# Altium PCB 松菸_幻影光靈_屍禁_提燈_20241126.PcbDoc
Units mm, origin at the board's own origin, x right, y up, seen from the top; angles counter-clockwise.
Board outline 100 x 87.54 mm, 4 copper layers (Top Layer, Layer 1, Layer 2, Bottom Layer), stack 0.603 mm thick; 39 components, 33 nets, 218 pads, 27 vias.
Unrouted connection lines stored in the file: 2.
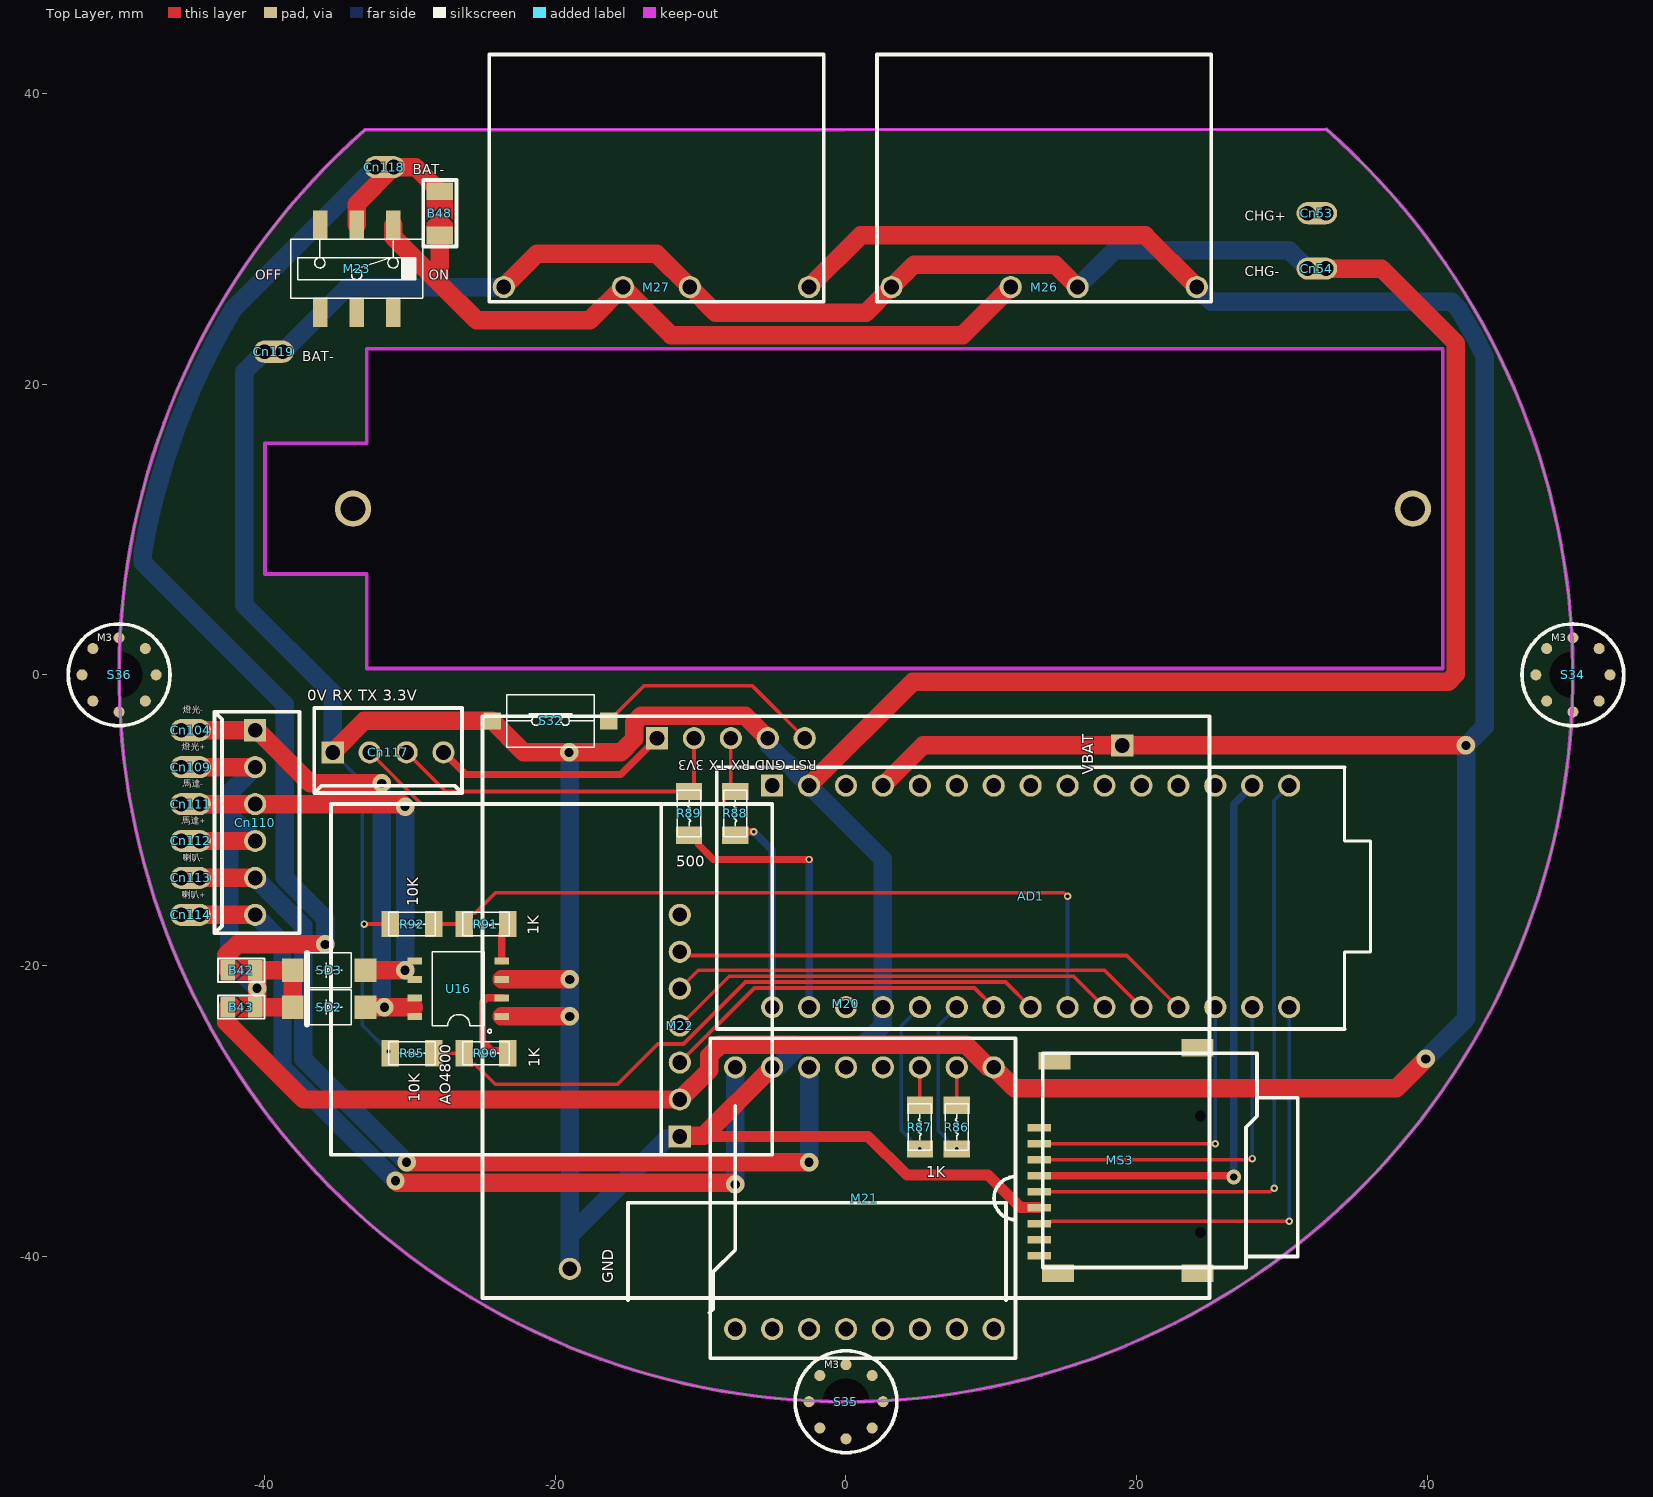
[diagram p0: Top Layer view]
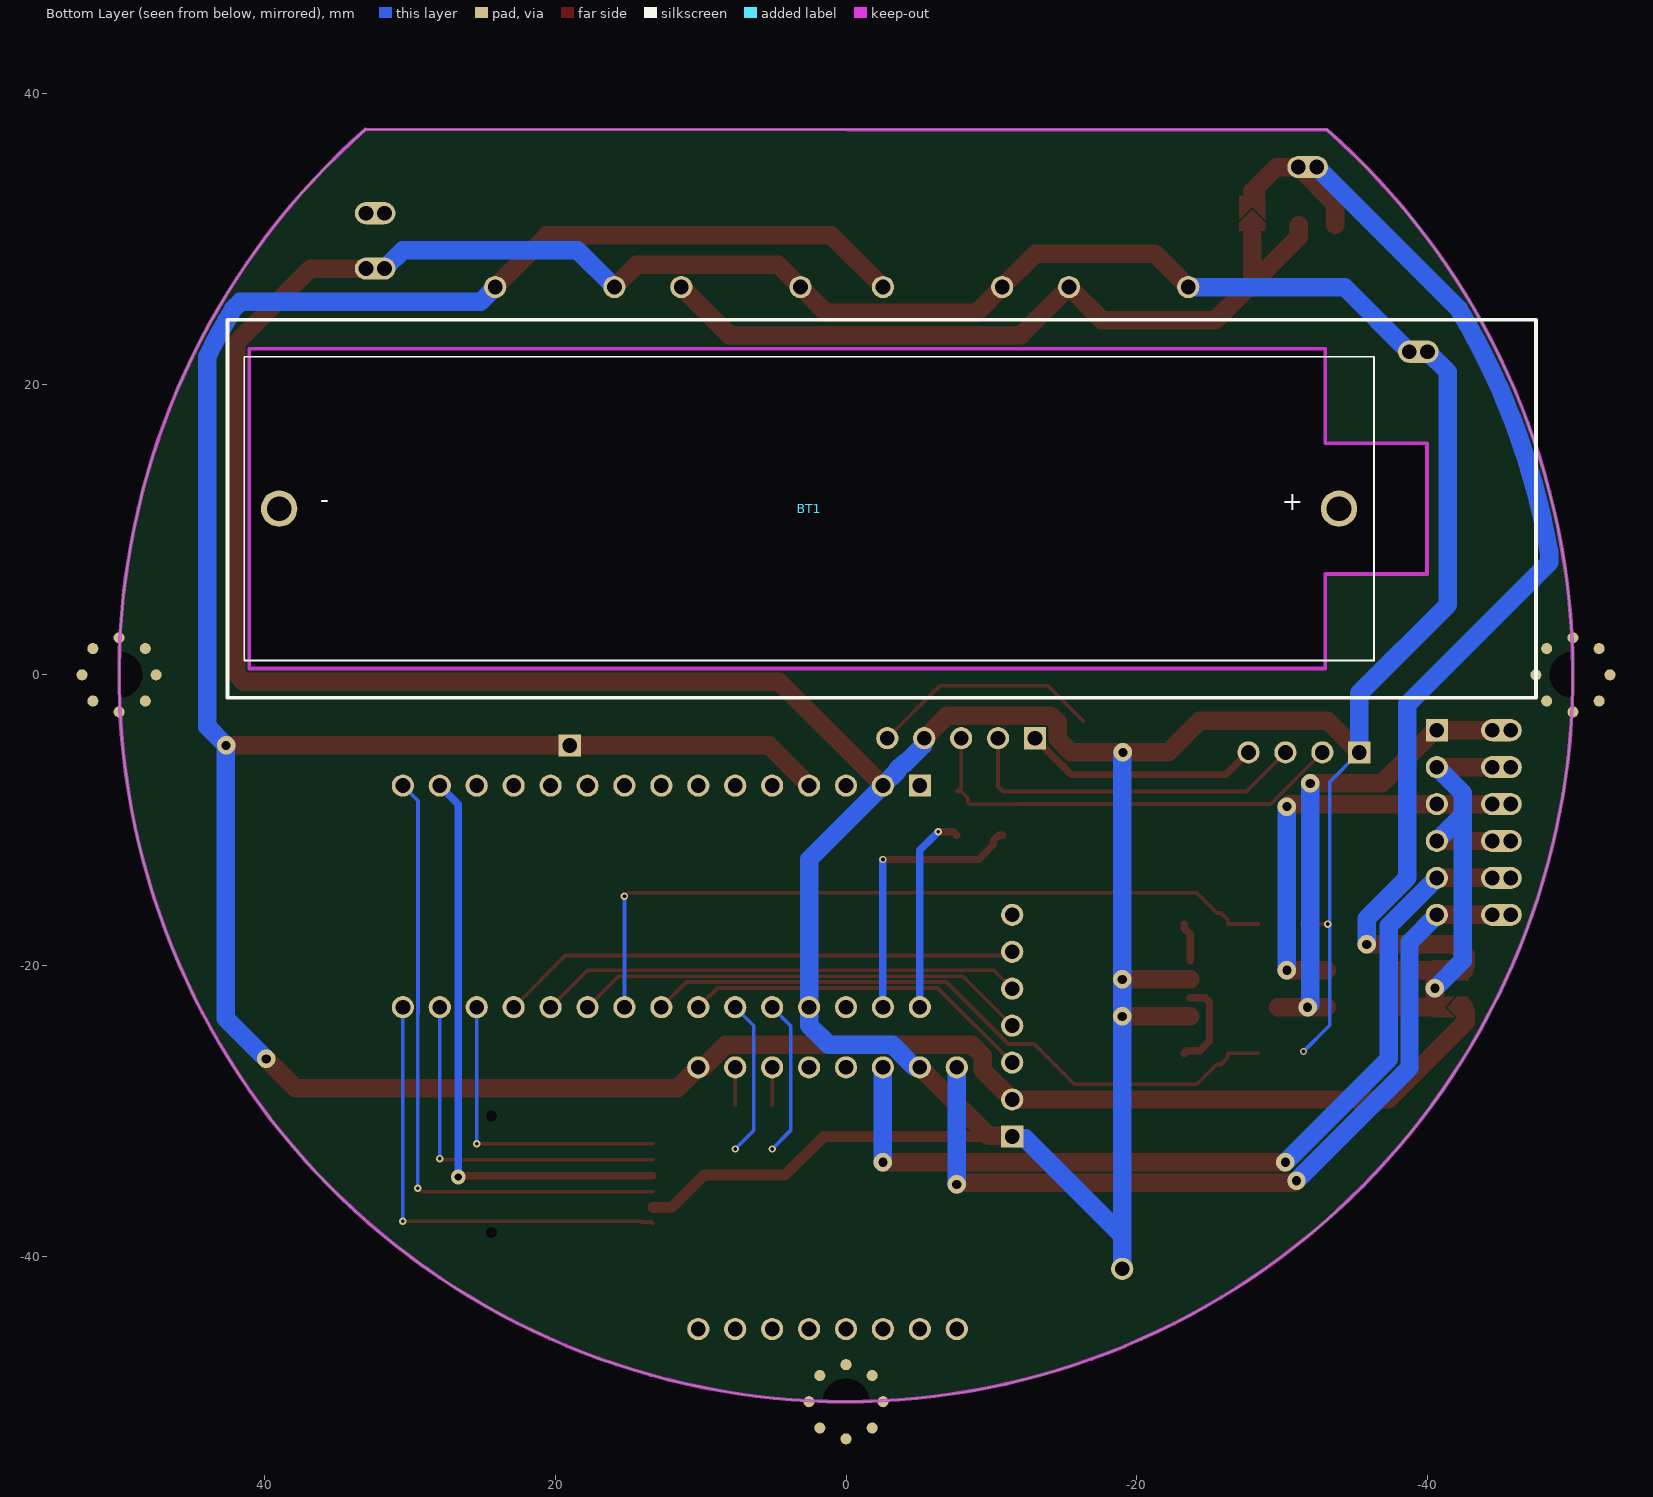
[diagram p1: Bottom Layer view, seen from below]

## Layer stack, top to bottom
Top Solder: solder mask 0.0102, Solder Resist, Dk 3.5
Top Layer: signal copper 0.0356
Dielectric 2: prepreg 0.0711, PP-006, Dk 4.1
Layer 1: signal copper 0.035
Dielectric 1: dielectric 0.32, FR-4, Dk 4.8
Layer 2: signal copper 0.035
Dielectric 3: prepreg 0.0711, PP-006, Dk 4.1
Bottom Layer: signal copper 0.0356
Bottom Solder: solder mask 0.0102, Solder Resist, Dk 3.5

## Board outline
-33.097,37.478 ccw(c0,0) 33.031,37.536
cut-out: 41.04,22.43 -32.96,22.43 -32.96,15.93 -39.96,15.93 -39.96,6.93 -32.96,6.93 -32.96,0.43 41.04,0.43

## Design rules (kind name [scope] priority, off if disabled: settings)
Clearance [All] p1: gap=0.152 ignorepadtopadclearanceinfootprint=FALSE
ComponentClearance [All] p1: gap=0 collisioncheckmode=3 verticalgap=0 showdistances=FALSE
DiffPairsRouting [All] p1: maxlimit=0.254 minlimit=0.254 mostfreqgap=0.254 toplayer_minwidth=0.152 toplayer_maxwidth=0.381 toplayer_prefwidth=0.381 midlayer1_minwidth=0.152 midlayer1_maxwidth=0.381 midlayer1_prefwidth=0.381 midlayer2_minwidth=0.152 midlayer2_maxwidth=0.381 midlayer2_prefwidth=0.381 bottomlayer_minwidth=0.152 bottomlayer_maxwidth=0.381 bottomlayer_prefwidth=0.381 maxuncoupledlength=12.7
Height [All] p1: minheight=0 maxheight=50.8 prefheight=12.7
PolygonConnect [All] p1: connectstyle=Relief reliefconductorwidth=0.254 reliefentries=4 polygonreliefangle="45 Angle" airgapwidth=0.254
RoutingVias [All] p1: holewidth=0.711 width=1.27 viastyle="Through Hole" minholewidth=0.254 minwidth=0.508 maxholewidth=1.27 maxwidth=2.54
SolderMaskExpansion [All] p1: expansion=0.102 istentingtop=FALSE
Width [All] p1: maxlimit=2.54 minlimit=0.152 preferedwidth=0.254 minimp=50.000000 maximp=50.000000 favimp=50.000000
27 further rules are at their usual default settings.

## Components (designator, comment, footprint, x,y, rotation, side; value= is the part's Value field where it differs from the comment)
AD1 "Arduino NANO" "Arduino NANO" -5.08,-22.86 r90 top
B42 "短路" BYPASS-0805 -41.59,-20.32 r0 top
B43 "短路" BYPASS-0805 -41.59,-22.86 r0 top
B48 "短路" BYPASS-1206 -27.94,31.75 r90 top
BT1 "18650" Battery_18650 2.54,11.43 r0 bottom
Cn53 "Contact" "Conntact_Stamp hole_0.6\"" 33.02,31.75 r270 top
Cn54 "Contact" "Conntact_Stamp hole_0.6\"" 33.02,27.94 r270 top
Cn104 "Contact" "Conntact_Stamp hole_0.6\"" -45.72,-3.81 r90 top
Cn109 "Contact" "Conntact_Stamp hole_0.6\"" -45.72,-6.35 r90 top
Cn110 "KF2510-6" Connector_KF2510-6A -40.64,-3.81 r0 top
Cn111 "Contact" "Conntact_Stamp hole_0.6\"" -45.72,-8.89 r90 top
Cn112 "Contact" "Conntact_Stamp hole_0.6\"" -45.72,-11.43 r90 top
Cn113 "Contact" "Conntact_Stamp hole_0.6\"" -45.72,-13.97 r90 top
Cn114 "Contact" "Conntact_Stamp hole_0.6\"" -45.72,-16.51 r90 top
Cn117 "KF2510-4" Connector_KF2510-4A -35.306,-5.334 r90 top
Cn118 "Contact" "Conntact_Stamp hole_0.6\"" -32.385,34.925 r90 top
Cn119 "Contact" "Conntact_Stamp hole_0.6\"" -40.005,22.225 r90 top
M20 "HH_W600_V2.0" HH_W600_V2.0 0,-22.86 r90 top locked
M21 "mp3-tf-16p" BY8001-16P 10.16,-36 r270 top
M22 "XR390" "XR390 Module" -11.43,-31.75 r270 top locked
M23 "MST22D18G2" Switch_MST22D18G2 -33.655,27.94 r180 top
M26 "4056+LN2220PAR_Module" 4056+LN2220PAR_Moduld 13.63,26.67 r270 top
M27 "4056+LN2220PAR_Module" 4056+LN2220PAR_Moduld -13.04,26.67 r270 top
MS3 "Interface_MicroSD card slot" "Interface_MicroSD card slot" 13.284,-33.304 r270 top
R85 "10K" Res-1206 -29.845,-26.035 r0 top
R86 "1K" Res-1206 7.62,-31.115 r270 top
R87 "1K" Res-1206 5.08,-31.115 r270 top
R88 "500" Res-1206 -7.62,-9.525 r270 top
R89 "500" Res-1206 -10.795,-9.525 r270 top
R90 "1K" Res-1206 -24.765,-26.035 r0 top
R91 "1K" Res-1206 -24.765,-17.145 r0 top
R92 "10K" Res-1206 -29.845,-17.145 r0 top
S32 "Switch" "Switch SMD-3.6*6*2.5" -20.32,-3.175 r0 top
S34 "M3" "Screw M3" 50,0 r0 top
S35 "M3" "Screw M3" 0,-50 r0 top
S36 "M3" "Screw M3" -50,0 r0 top
SD2 "SS56" Diode_SMA -35.56,-22.86 r0 top
SD3 "SS56" Diode_SMA -35.56,-20.32 r0 top
U16 "AO4800" SOP-8 -26.67,-21.59 r180 top

## Footprints (in the part's own frame and the unit in brackets; to place one, negate y for a bottom-side part, rotate by r counter-clockwise, add the part's x,y. Pads: shape width x height; smd on the part's side, far side on the other; paste and mask are expansions set on the pad)
4056+LN2220PAR_Moduld [mil] "鋰電池充電升壓模組"
  round 60 hole 40: 1(0,413.39) 2(0,90.55) 3(0,-90.55) 4(0,-413.39)
  silkscreen extent -630,-453 39,453
"Arduino NANO" [mil] "Arduino單晶片"
  rect 60x60 hole 40: 1(600,0)
  round 60 hole 40: 2(0,-300) 2(600,-100) 3(600,-300) 4(0,-200) 4(600,-200) 5(600,-1300) 6(600,-1200) 7(0,-100) 8(0,0) 9(0,-400) 10(0,-500) 11(0,-600) 12(0,-700) 13(0,-800) 14(0,-900) 15(0,-1000) 16(0,-1100) 17(0,-1200) 18(0,-1300) 19(0,-1400) 20(600,-1400) 21(600,-1100) 22(600,-1000) 23(600,-900) 24(600,-800) 25(600,-700) 26(600,-600) 27(600,-500) 28(600,-400)
  silkscreen extent -59,-1620 650,150, body extent -59,-1622 650,150, height 831
Battery_18650 [mm] "3.7V充電離電池"
  round 2.5 hole 1.7: 1(-36.45,0) 2(36.45,0)
  silkscreen extent -38.85,-10.45 38.85,10.45, body extent -38.48,-10.49 38.48,10.49, height 21.91
BY8001-16P [mil] "TTL Serial MP3播放模組"
  round 60 hole 40: 1(-354.33,0) 2(-354.33,-100) 3(-354.33,-200) 4(-354.33,-300) 5(-354.33,-400) 6(-354.33,-500) 7(-354.33,-600) 8(-354.33,-700) 9(354.33,-700) 10(354.33,-600) 11(354.33,-500) 12(354.33,-400) 13(354.33,-300) 14(354.33,-200) 15(354.33,-100) 16(354.33,0)
  silkscreen extent -433,-770 433,59
BYPASS-0805 [mm] "短接焊點"
  rect 1x1.4 smd: 1(-0.95,0) 2(0.95,0)
  Top Layer region: -1.2,-0.7 -1.2,0.7 -0.45,0.7 0.25,0 -0.45,-0.7
  Top Layer region: -0.25,-0.7 0.45,0 -0.25,0.7 1.2,0.7 1.2,-0.7
  silkscreen extent -1.6,-0.8 1.6,0.8
BYPASS-1206 [mm] "短接焊點"
  rect 1.2x1.8 smd: 1(-1.5,0) 2(1.5,0)
  Top Layer region: -1.2,-0.889 -1.2,0.889 -0.639,0.889 0.25,0 -0.639,-0.889
  Top Layer region: -0.439,-0.889 0.45,0 -0.439,0.889 1.2,0.889 1.2,-0.889
  silkscreen extent -2.29,-1.14 2.29,1.14
Connector_KF2510-4A [mil] "防呆接頭(4P)"
  rect 60x60 hole 40: 1(0,0)
  round 60 hole 40: 2(0,-100) 3(0,-200) 4(0,-300)
  silkscreen extent -110,-350 120,50, body extent -114,-348 114,50, height 461
Connector_KF2510-6A [mil] "防呆接頭(6P)"
  rect 60x60 hole 40: 1(0,0)
  round 60 hole 40: 2(0,-100) 3(0,-200) 4(0,-300) 5(0,-400) 6(0,-500)
  silkscreen extent -110,-550 120,50, body extent -110,-549 118,49, height 124
"Conntact_Stamp hole_0.6\"" [mil] "郵票孔60mil"
  round 60 hole 40: 1(0,0) 1(0,-50)
  oval 60x110 all layers, no hole: 1(0,-25)
Diode_SMA [mm] "二極體 SMA"
  rect 1.5x1.6 smd: 1(-2.5,0) 2(2.5,0)
  silkscreen extent -1.52,-1.2 1.52,1.2, body extent -2.54,-1.29 2.54,1.29, height 2.65
HH_W600_V2.0 [mil] "舞鈴劇場_HH_W600_V2.0"
  rect 60x60 hole 40: 1(728.35,511.81) 6(708.66,-748.03)
  round 60 hole 40: 2(728.35,411.81) 3(728.35,311.81) 4(728.35,211.81) 5(728.35,111.81) 7(-708.66,748.03)
  silkscreen extent -787,-984 787,984
"Interface_MicroSD card slot" [mm] "Micro SD卡座"
  rect 0.5x1.6 smd: 1(-2.15,0) 2(-1.05,0) 3(0.05,0) 4(1.15,0) 5(2.25,0) 6(3.35,0) 7(4.45,0) 8(5.55,0) 9(6.65,0)
  rect 1.2x2.2 smd: 10(-7.65,10.9) 10(-6.75,1.05) 10(7.85,10.9) 10(7.85,1.3)
  round 0 hole 0.75: 10(-2.95,11.1) 10(5.05,11.1)
  silkscreen extent -7.27,0.25 7.47,17.78, body extent -7.9,-0.12 8.1,17.78, height 1.85
Res-1206 [mm] "1/4W電阻 SMD"
  rect 1.2x1.8 smd: 1(-1.5,0) 2(1.5,0)
  silkscreen extent -1.6,-0.8 1.6,0.8, body extent -1.6,-0.8 1.6,0.8, height 0.75
"Screw M3" [mil] "螺絲 M3"
  round 30 smd: 1(-100.39,0) 1(-70.99,-70.99) 1(-70.99,70.99) 1(0,-100.39) 1(0,100.39) 1(70.99,-70.99) 1(70.99,70.99) 1(100.39,0)
  round 30 smd far side: 1(-100.39,0) 1(-70.99,-70.99) 1(-70.99,70.99) 1(0,-100.39) 1(0,100.39) 1(70.99,-70.99) 1(70.99,70.99) 1(100.39,0)
  round 118.11 hole 125.98: 1(0,0)
  Multi-Layer pour cut-out: -1.1,-137.13 -53.83,-126.64 -98.54,-96.77 -128.41,-52.07 -138.9,0.67 -138.9,0.67 -128.41,53.4 -98.54,98.1 -53.83,127.97 -1.1,138.46 -1.1,138.46 51.63,127.97 96.33,98.1 126.2,53.4 136.69,0.67 136.69,0.67 126.2,-52.07 96.33,-96.77 51.63,-126.64 -1.1,-137.13
  silkscreen extent -138,-138 138,138, body extent -108,-108 108,108, height 118
SOP-8 [mm]
  rect 1x0.5 smd: 1(-3,1.905) 2(-3,0.635) 3(-3,-0.635) 4(-3,-1.905) 5(3,-1.905) 6(3,-0.635) 7(3,0.635) 8(3,1.905)
  silkscreen extent -2.29,-2.54 1.8,3.05, body extent -3.02,-2.51 3.02,2.51, height 1.6
"Switch SMD-3.6*6*2.5" [mm] "按鍵開關"
  rect 1.2x1.2 smd: 1(-4,0) 2(4,0)
  silkscreen extent -3,-1.8 3,1.8, body extent -4,-1.8 4,1.8, height 2.6
Switch_MST22D18G2 [mm] "2檔滑動開關"
  rect 1x2 smd: 1(0,-3) 2(-2.5,-3) 3(2.5,-3) 4(0,3) 5(-2.5,3) 6(2.5,3)
  silkscreen extent -4.55,-2.03 4.55,2.03, body extent -4.52,-3.5 4.52,3.4, height 5.45
"XR390 Module" [mil] "遙控器模組"
  rect 60x60 hole 40: 1(0,0)
  round 60 hole 40: 2(-100,0) 3(-200,0) 4(-300,0) 5(-400,0) 6(-500,0) 7(-600,0)
  silkscreen extent -900,-945 50,250

## Part data
AD1: "單晶片"
B42 B43 B48: library part Bypass, "短路焊點(如標註短路則需額外補錫使其短路)"
BT1: library part Battery, "電池"
Cn53 Cn54 Cn104 Cn109 Cn111 Cn112 Cn113 Cn114 Cn118 Cn119: library part Conntact, "接線端子、接點、郵票孔(非焊接元件)"
Cn110: library part Conntact(6P), "連接器"
Cn117: library part Conntact(4P), "連接器"
M21: library part "Mini MP3 Player", "TTL通訊SD卡撥放mp3模組", ComponentLink1Description=datasheet, ComponentLink1URL=http://www.electronicoscaldas.com/datasheet/DFR0299-DFPlayer-Mini-Manual.pdf
M22: "遙控器模組"
M23: library part Switch_Slide_2, "開關_滑動_2通道"
M26 M27: "鋰電池充電升壓模組"
MS3: "Micro SD 卡座"
R85 R86 R87 R88 R89 R90 R91 R92: library part Res, "電阻"
S32: "開關_按鍵"
S34 S35 S36: library part Screw, "螺絲(非焊接元件)"
SD2 SD3: library part Diode_Schottky, "二極體_蕭特基"
U16: library part "MOS_Dual N_AO4800", "MOS,雙NMOS"

## Via types
v1: diameter 1.27, hole 0.635, Top Layer to Bottom Layer, tented both sides, 15 vias
v2: diameter 0.508, hole 0.254, Top Layer to Bottom Layer, tented both sides, 11 vias
v3: diameter 1.016, hole 0.508, Top Layer to Bottom Layer, tented both sides, 1 vias

## Nets (pads, with @x,y where several pads share a name; then routed paths per layer and width w, separated by ;. In a path a pad name is that pad's centre, name@x,y a point inside that pad or via, vN(x,y) a via of type N, cw(c..) or ccw(c..) an arc to the next point about the centre after c; other vN are vias at no path point)
328P_MI: AD1.19 MS3.7 | length 32
  Top Layer w0.254: MS3.7 13.407,-37.631 14.067,-37.631 14.106,-37.592 v2(30.48,-37.592)
  Bottom Layer w0.254: v2(30.48,-37.592) AD1.19
328P_MO: AD1.18 MS3.3 | length 25.1
  Top Layer w0.254: MS3.3 27.791,-33.354 27.871,-33.274 v2(27.94,-33.274)
  Bottom Layer w0.254: v2(27.94,-33.274) AD1.18
328P_RX: Cn117.3 M20.2 R89.1 | length 24.3
  Top Layer w0.254: Cn117.3 -27.535,-8.025 R89.1 -10.46,-7.69 M20.2
328P_RX2: M21.3 R87.1 | length 2.6
  Top Layer w0.254: R87.1 M21.3
328P_SCK: AD1.20 MS3.5 | length 44.4
  Top Layer w0.254: MS3.5 29.188,-35.554 29.436,-35.306 v2(29.464,-35.306)
  Bottom Layer w0.254: v2(29.464,-35.306) 29.464,-23.317 29.439,-23.291 29.439,-8.661 AD1.20
328P_SS: AD1.17 MS3.2 | length 21.5
  Top Layer w0.254: MS3.2 25.396,-32.254 v2(25.4,-32.258) v2@25.372,-32.258
  Bottom Layer w0.254: v2(25.4,-32.258) AD1.17
328P_TX: Cn117.2 M20.3 R88.1 | length 30.9
  Top Layer w0.254: Cn117.2 -29.21,-8.89 -11.825,-8.89 -11.811,-8.904 -8.556,-8.904 -8.393,-8.741 -8.393,-8.498 -7.92,-8.025 R88.1 -7.92,-7.725 M20.3
328P_TX2: M21.2 R86.1 | length 2.6
  Top Layer w0.254: R86.1 M21.2
+3.3: AD1.5 MS3.4 | length 40.9
  Top Layer w0.508: MS3.4 26.58,-34.454 v3(26.67,-34.544)
  Bottom Layer w0.508: v3(26.67,-34.544) 26.67,-8.89 AD1.5
+5: AD1.3 B43.1 M20.6 M21.1 M22.2 M26.1 M27.1 | length 232.9
  Top Layer w1.27: B43.1 -42.54,-23.146 -42.627,-23.234 -42.627,-23.886 -37.304,-29.21 M22.2 -9.398,-27.178 -9.398,-26.195 -8.654,-25.451 8.262,-25.451 9.763,-26.951 10.111,-26.951 11.608,-28.448 37.846,-28.448 v1(39.878,-26.416) ; M27.1 1.016,30.226 20.574,30.226 M26.1 ; AD1.3 5.3,-4.86 M20.6 v1(42.638,-4.86) v1@42.672,-4.826
  Bottom Layer w1.27: M26.1 25.146,25.654 41.657,25.654 42.029,25.282 42.141,25.17 cw(c0,0) 43.942,21.875 43.942,-3.556 v1(42.638,-4.86) ; v1@40.132,-26.162 42.672,-23.622 v1@42.672,-4.86
+BAT: B42.1 B48.2 BT1.1 Cn118.1 M23.1 | length 81.2
  Top Layer w1.27: B42.1 -42.54,-20.034 -42.627,-19.946 -42.627,-19.294 -41.876,-18.542 v1(-35.814,-18.542) ; M23.1 -33.655,32.385 -31.115,34.925 -29.615,34.925 -28.205,33.515 -28.205,33.285 -28.17,33.25 B48.2
  Bottom Layer w1.27: v1(-35.814,-18.542) -35.814,-16.764 -38.608,-13.97 -38.608,-2.032 -48.368,7.728 -48.368,8.254 -48.368,8.364 cw(c0,0) -42.143,25.167 Cn118.1@-32.385,34.925
+CHG: Cn53.1
Dout_0: AD1.12 R85.2 R90.1 | length 45.7
  Top Layer w0.254: R85.2 R90.1 -26.265,-26.327 -25.792,-26.8 -25.5,-26.8 -24.131,-28.169 -15.723,-28.169 -12.954,-25.4 -11.176,-25.4 -6.909,-21.133 10.973,-21.133 AD1.12
Dout_1: AD1.13 R91.1 R92.2 | length 52.4
  Top Layer w0.254: R92.2 R91.1 -26.265,-16.853 -25.792,-16.38 -25.5,-16.38 -24.106,-14.986 14.986,-14.986 v2(15.24,-15.24)
  Bottom Layer w0.254: AD1.13 v2(15.24,-15.24)
GND: AD1.2 BT1.2 Cn54.1 Cn117.1 Cn119.1 M20.4 M20.7 M21.7 M22.1 M26.2 M26.4 M27.2 M27.4 MS3.6 R85.1 R92.1 S32.1 U16.1 U16.3 | length 370.6
  Top Layer w0.254: v2(-33.147,-17.145) R92.1
  Top Layer w0.762: -9.791,-31.75 1.524,-31.75 4.191,-34.417 9.779,-34.417 12.016,-36.654 MS3.6
  Top Layer w1.27: Cn117.1 -33.147,-3.175 S32.1 -22.161,-5.334 -15.494,-5.334 -14.549,-4.389 -14.549,-3.272 -14.088,-2.811 -6.943,-2.811 -5.394,-4.36 M20.4 ; U16.1 v1(-19,-23.495) ; U16.3 v1(-19,-20.955) ; M27.4 -21.254,28.956 -13.026,28.956 M27.2 -8.962,24.892 1.352,24.892 M26.4 4.679,28.219 14.381,28.219 M26.2 ; M22.1 -11.391,-31.711 -9.791,-31.711 M21.7 ; AD1.2@-2.54,-7.62 4.596,-0.484 41.419,-0.484 41.954,0.051 41.954,22.816 36.83,27.94 33.02,27.94 32.385,27.94 Cn54.1@31.75,27.94
  Bottom Layer w0.254: Cn117.1 -33.274,-7.366 -33.274,-24.106 v2(-31.472,-25.908)
  Bottom Layer w1.27: Cn119.1@-40.005,22.225 -41.402,20.828 -41.402,4.826 -35.306,-1.27 Cn117.1 ; Cn119.1@-38.735,22.225 -34.29,26.67 M27.4 ; v1(-19.05,-5.334) -19,-5.384 v1(-19,-20.955) v1(-19,-23.495) -19,-38.558 ; M20.7 -19,-38.558 ; M22.1 -11.557,-31.877 -12.319,-31.877 -19,-38.558 ; M20.4 -5.331,-4.409 -5.331,-4.829 -4.089,-6.071 -3.992,-6.071 -3.531,-6.532 -3.531,-6.629 -2.54,-7.62 2.54,-12.7 2.54,-22.86 2.54,-24.097 1.187,-25.451 -3.182,-25.451 -4.683,-26.951 -5.031,-26.951 M21.7 ; M26.2 18.47,29.21 30.48,29.21 Cn54.1@31.75,27.94
Lingth_N: B42.2 B43.2 Cn109.1 Cn110.2 Cn110.4 Cn112.1 SD2.1 SD3.1 | length 36.9
  Top Layer w1.27: Cn112.1@-44.45,-11.43 Cn110.4 ; Cn109.1@-44.45,-6.35 Cn110.2 ; B43.2@-40.553,-22.86 -40.505,-22.812 -40.505,-20.32 SD3.1 SD2.1 B43.2@-40.553,-22.86
  Bottom Layer w1.27: Cn110.4 -42.418,-9.652 ; Cn110.2 -42.418,-8.128 -42.418,-9.652 ; v1(-40.505,-21.566) -42.418,-19.653 -42.418,-9.652
Lingth_P: Cn104.1 Cn110.1 SD2.2 U16.7 U16.8 | length 32.8
  Top Layer w1.27: Cn104.1@-44.45,-3.81 Cn110.1 -40.513,-3.937 -40.383,-3.937 -36.852,-7.468 v1(-31.926,-7.468) ; SD2.2 -29.718,-22.86
  Bottom Layer w1.27: v1(-31.926,-7.468) -31.926,-22.684 v1(-31.75,-22.86)
NetAD1_7: AD1.7 R89.2 | length 19.3
  Top Layer w0.508: R89.2 -10.495,-11.025 -10.149,-11.371 -10.149,-11.671 -9.12,-12.7 v2(-2.54,-12.7)
  Bottom Layer w0.508: AD1.7 v2(-2.54,-12.7)
NetAD1_8: AD1.8 R88.2 | length 14
  Top Layer w0.508: R88.2 -7.39,-10.795 v2(-6.35,-10.795)
  Bottom Layer w0.508: v2(-6.35,-10.795) -5.08,-12.065 AD1.8
NetAD1_9: AD1.9 R87.2 | length 10.8
  Bottom Layer w0.254: v2(5.08,-32.615) 3.81,-31.345 3.81,-24.13 AD1.9
NetAD1_10: AD1.10 R86.2 | length 10.8
  Bottom Layer w0.254: v2(7.62,-32.615) 6.35,-31.345 6.35,-24.13 AD1.10
NetB48_1: B48.1 M23.2 M26.3 M27.3 | length 52.7
  Top Layer w1.27: M23.2 -31.155,30.139 -27.94,26.924 ; B48.1 -27.94,26.924 ; M26.3 8.028,23.368 -12.038,23.368 M27.3 -17.626,24.384 -25.4,24.384 -27.94,26.924
NetCn117_4: Cn117.4 M20.1 | length 16.4
  Top Layer w0.508: Cn117.4 -26.162,-6.858 -15.498,-6.858 M20.1
NetM20_5: M20.5 S32.2 | length 16
  Top Layer w0.254: S32.2 -13.907,-0.762 -6.438,-0.762 M20.5
NetR90_2: R90.2 U16.2 | length 6.2
  Top Layer w0.508: U16.2 -24.702,-22.225 -25,-22.523 -25,-25.2 -24.329,-25.871 -23.429,-25.871 R90.2
NetR91_2: R91.2 U16.4 | length 2.7
  Top Layer w0.508: U16.4 -23.67,-17.85 -23.265,-17.445 R91.2
Shock_P: Cn110.3 Cn111.1 SD3.2 U16.5 U16.6 | length 28.2
  Top Layer w1.27: Cn111.1@-44.45,-8.89 -30.503,-8.89 v1(-30.328,-9.066) ; SD3.2 v1(-30.328,-20.32)
  Bottom Layer w1.27: v1(-30.328,-20.32) v1(-30.328,-9.066)
SPK1: Cn110.5 Cn113.1 M21.6 | length 61.9
  Top Layer w1.27: Cn113.1@-44.45,-13.97 Cn110.5 ; v1(-30.226,-33.528) v1(-2.54,-33.528)
  Bottom Layer w1.27: Cn110.5 -37.338,-17.272 -37.338,-26.416 v1(-30.226,-33.528) ; v1(-2.54,-33.528) M21.6
SPK2: Cn110.6 Cn114.1 M21.8 | length 57.6
  Top Layer w1.27: Cn114.1@-44.45,-16.51 Cn110.6 ; v1(-30.988,-34.798) -30.836,-34.95 -7.722,-34.95 v1(-7.62,-35.052)
  Bottom Layer w1.27: Cn110.6 -40.64,-16.523 -38.76,-18.402 -38.76,-27.026 v1(-30.988,-34.798) ; v1(-7.62,-35.052) M21.8
遙控_點動_0: AD1.11 M22.3 | length 24.3
  Top Layer w0.254: M22.3 -6.299,-21.539 8.839,-21.539 AD1.11
遙控_點動_1: AD1.14 M22.4 | length 31.5
  Top Layer w0.254: M22.4 -8.026,-20.726 15.646,-20.726 AD1.14
遙控_點動_2: AD1.15 M22.5 | length 33.3
  Top Layer w0.254: M22.5 -10.16,-20.32 17.78,-20.32 AD1.15
遙控_點動_3: AD1.16 M22.6 | length 35.9
  Top Layer w0.254: M22.6 -11.187,-19.293 -10.657,-19.293 -10.646,-19.304 19.304,-19.304 AD1.16
pads on no net: AD1.1 AD1.4 AD1.6 AD1.21 AD1.22 AD1.23 AD1.24 AD1.25 AD1.26 AD1.27 AD1.28 M21.4 M21.5 M21.9 M21.10 M21.11 M21.12 M21.13 M21.14 M21.15 M21.16 M22.7 M23.3 M23.4 M23.5 M23.6 MS3.1 MS3.8 MS3.9 MS3.10 S34.1 S35.1 S36.1

## Keep-outs
Keep-Out Layer:
  lines w0.254: -39.96,6.93 -32.96,6.93 -32.96,0.43 41.04,0.43 41.04,22.43 -32.96,22.43 -32.96,15.93 -39.96,15.93 -39.96,6.93 ; -33.097,37.478 ccw(c0,0) 33.031,37.536 -33.097,37.478

## Silkscreen, mask and mechanical layers (free items; w line width, h text height)
Top Overlay:
  lines w0.254: -15,-43 -15,-36.322 11,-36.322 11,-43
  text "BAT-" at -29.798,34.428 h0.69
  text "CHG+" at 27.432,31.242 h0.69
  text "CHG-" at 27.432,27.432 h0.69
  text "OFF" at -40.64,27.178 h0.69
  text "ON" at -28.702,27.178 h0.69
  text "BAT-" at -37.411,21.568 h0.69
  text "0V RX TX 3.3V" at -37.054,-1.778 h0.76
  text "燈光-" at -45.616,-2.794 h0.76
  text "燈光+" at -45.691,-5.334 h0.76
  text "馬達-" at -45.617,-7.874 h0.76
  text "馬達+" at -45.692,-10.414 h0.76
  text "喇叭-" at -45.616,-12.954 h0.76
  text "500" at -11.684,-13.208 h0.76
  text "喇叭+" at -45.691,-15.494 h0.76
  text "10K" at -29.435,-15.925 h0.76 r90
  text "1K" at -21.137,-17.864 h0.76 r90
  text "1K" at -21.082,-26.987 h0.76 r90
  text "10K" at -29.319,-29.402 h0.76 r90
  text "AO4800" at -27.178,-29.588 h0.76 r90
  text "1K" at 5.525,-34.544 h0.76
Bottom Overlay:
  lines w0.254: -47.46,-1.57 42.54,-1.57 42.54,24.43 -47.46,24.43 -47.46,-1.57

## Text inside footprints (layer, text, board x,y; h text height)
BT1: Bottom Overlay "+" at -31.46,12.43 h1.27 r180; Bottom Overlay "-" at 35.54,12.43 h1.27 r180
M20: Top Overlay "VBAT" at 17,-6.86 h0.76 r90; Top Overlay "RST GND RX TX 3V3" at -2,-5.86 h0.69 r180; Top Overlay "GND" at -16,-41.86 h0.76 r90